# Altium PCB DevKITV3.PcbDoc (part 5 of 5)
Units mm, origin at the board's own origin, x right, y up, seen from the top; angles counter-clockwise.
Board outline 140 x 140 mm, 8 copper layers (Top Layer, Layer 2, Layer 3, Layer 4, Layer 5, Layer 6, Layer 7, Bottom Layer), stack 1.479 mm thick; 438 components, 315 nets, 1726 pads, 441 vias.
Unrouted connection lines stored in the file: 394.
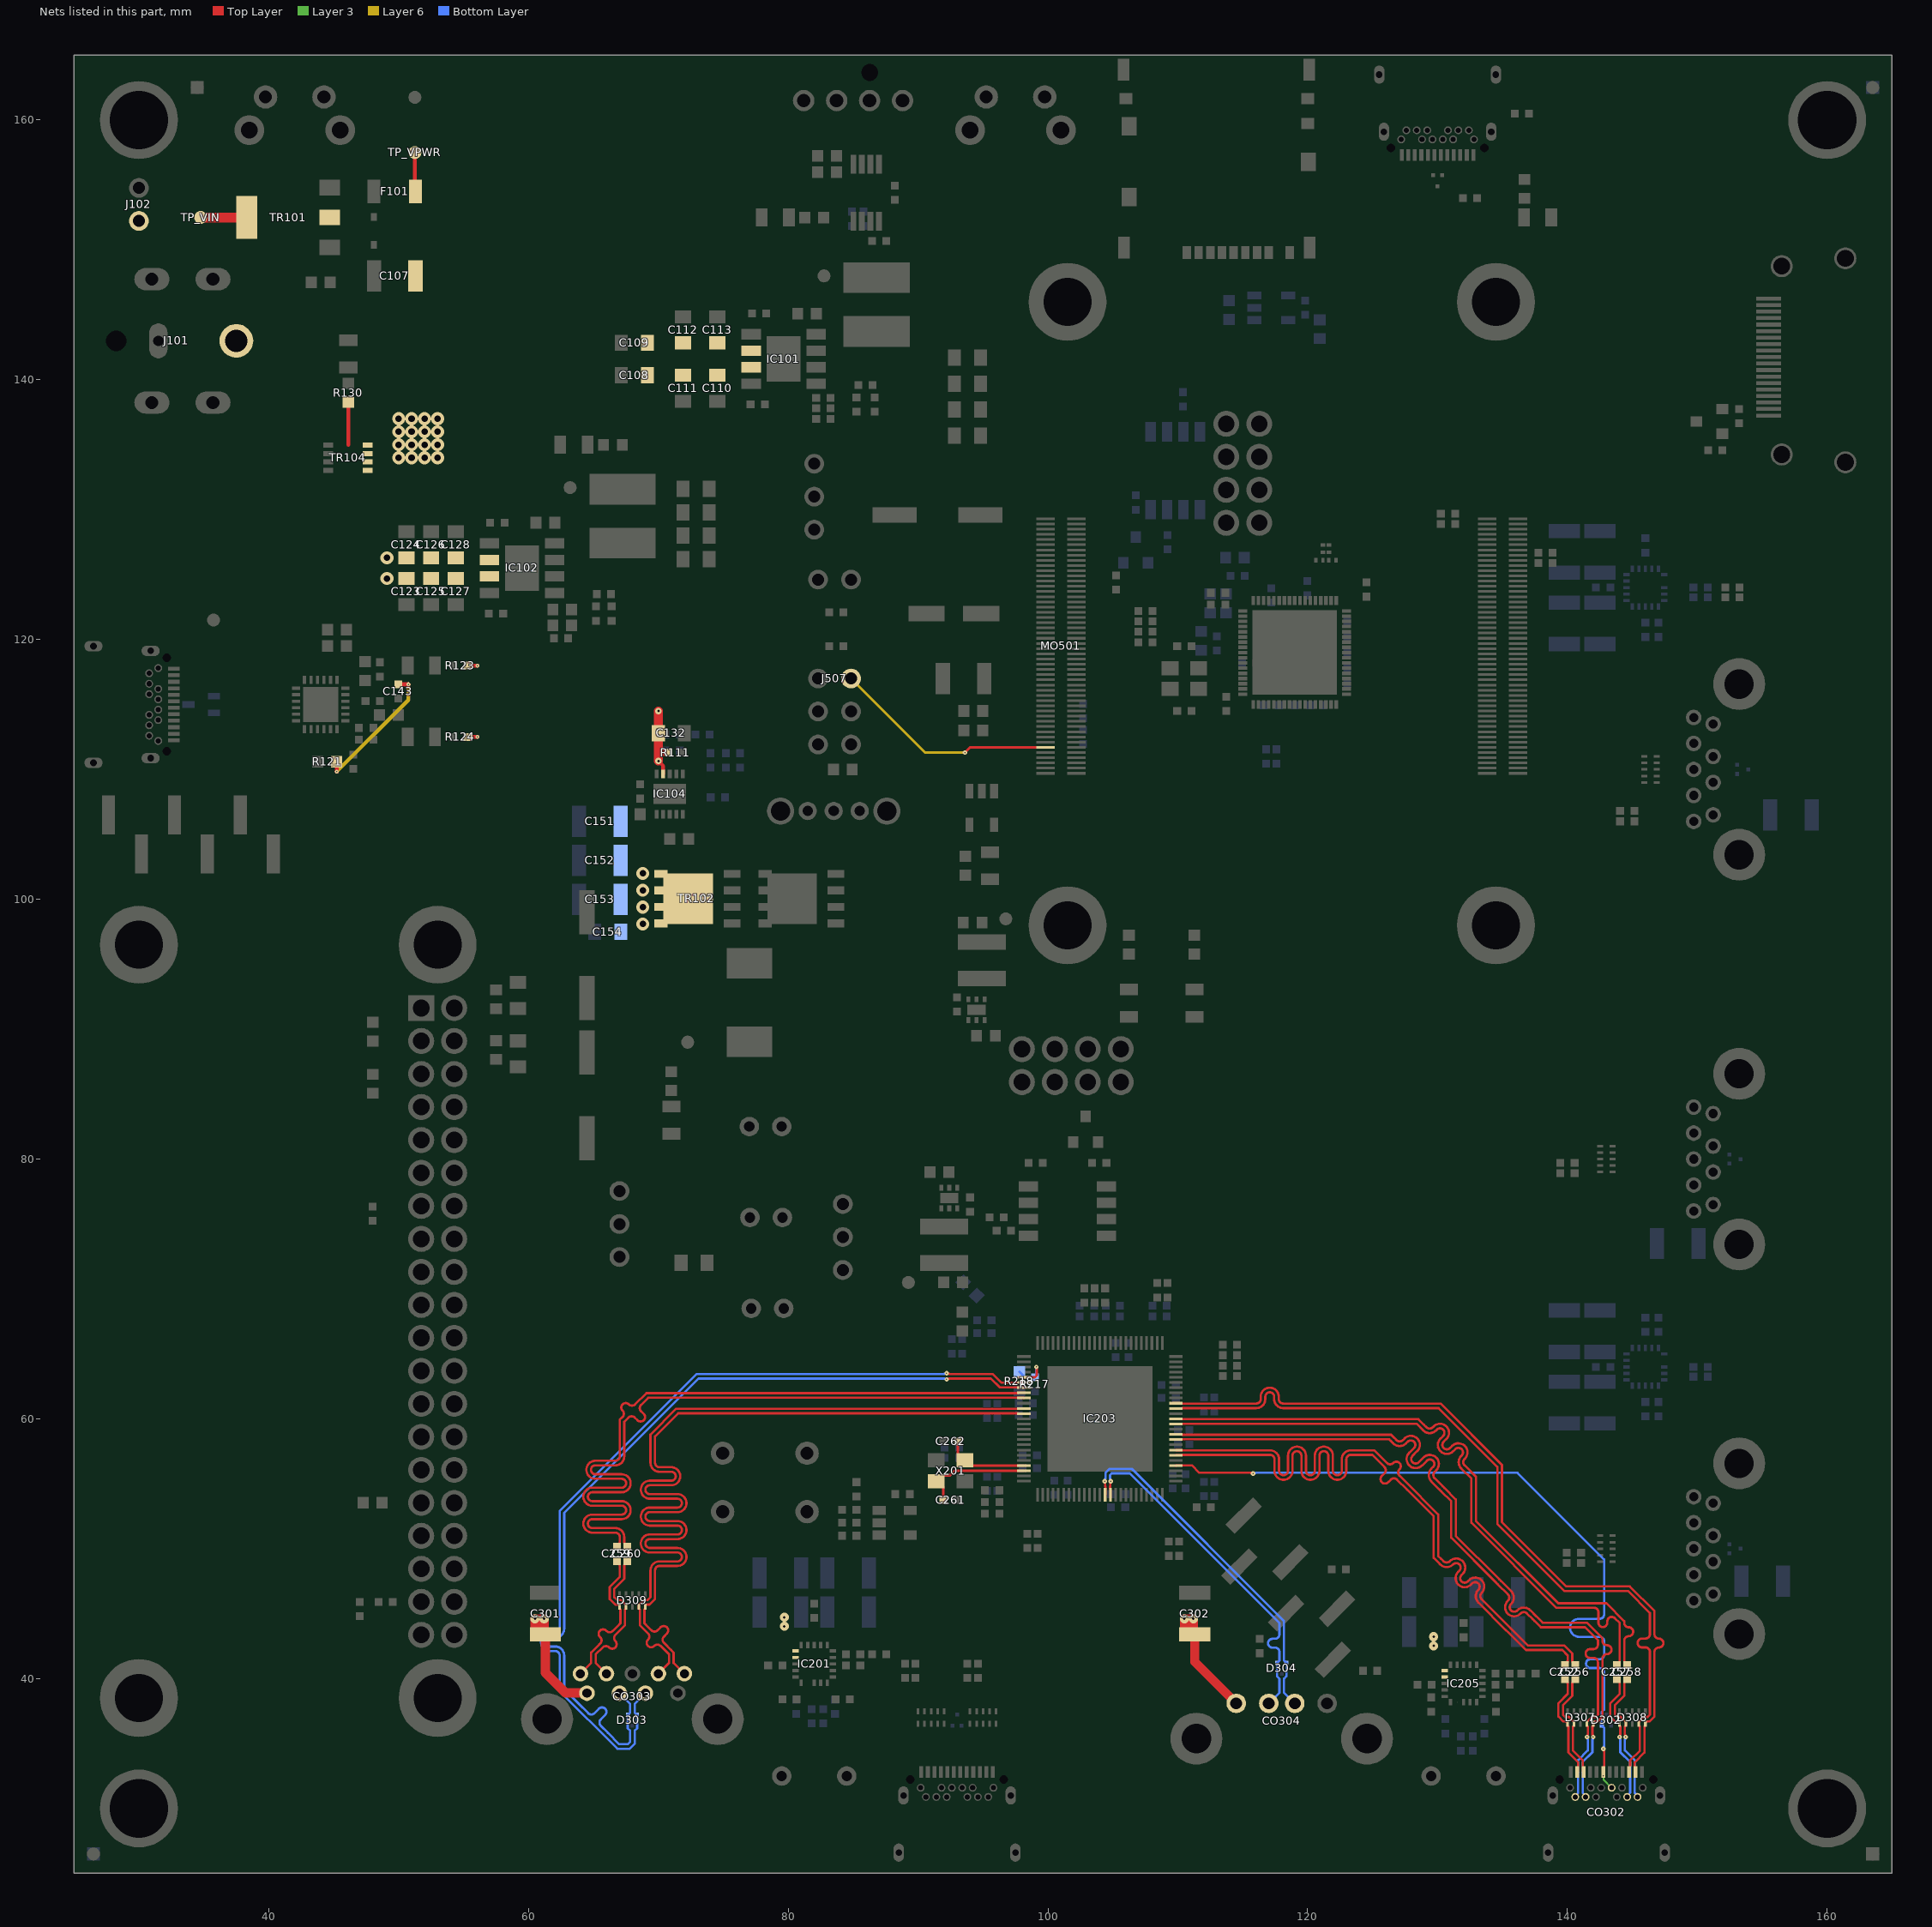
[diagram p11: the nets of this part, all layers, seen from the top]

## Via types
v1: diameter 0.3, hole 0.1, Top Layer to Bottom Layer, 136 vias
v2: diameter 0.35, hole 0.1, Top Layer to Bottom Layer, 106 vias
v3: diameter 1, hole 0.5, Top Layer to Bottom Layer, 54 vias
v4: diameter 0.5, hole 0.2, Top Layer to Bottom Layer, 53 vias
v5: diameter 0.7, hole 0.2, Top Layer to Bottom Layer, 37 vias
v6: diameter 0.6, hole 0.33, Top Layer to Bottom Layer, 36 vias
v7: diameter 0.45, hole 0.2, Top Layer to Bottom Layer, 15 vias
v8: diameter 0.4, hole 0.1, Top Layer to Bottom Layer, 2 vias
v9: diameter 1, hole 0.2, Top Layer to Bottom Layer, 1 vias
v10: diameter 1, hole 0.25, Top Layer to Bottom Layer, 1 vias

## Nets (pads, with @x,y where several pads share a name; then routed paths per layer and width w, separated by ;. In a path a pad name is that pad's centre, name@x,y a point inside that pad or via, vN(x,y) a via of type N, cw(c..) or ccw(c..) an arc to the next point about the centre after c; other vN are vias at no path point) (continued)
USBF2_P: CO302.6 CO302.26 D302.2 IC203.29 | length 60.4
  Top Layer w0.176: IC203.29@109.85,56.4 109.862,56.412 110.311,56.412 110.323,56.424 111.078,56.424 111.654,55.848 115.615,55.848 115.644,55.82 115.767,55.82 v2(115.8,55.787) ; CO302.6@142.75,32.8 142.812,32.862 142.812,33.253 142.824,33.265 142.824,34.415 142.796,34.444 142.796,34.567 v2(142.762,34.6)
  Layer 3 w0.15: v1(142.75,32.5) 142.779,32.471 142.779,32.211 CO302.26@143.4,31.59
  Bottom Layer w0.176: v2(115.8,55.787) 115.833,55.82 115.956,55.82 115.985,55.848 136.152,55.848 142.824,49.176 142.824,45.826 142.824,44.944 cw(c142.482,44.944) 142.482,44.602 140.898,44.602 ccw(c140.898,43.908) 140.898,43.215 142.482,43.215 cw(c142.482,42.873) 142.824,42.873 142.824,42.608 142.824,41.836 cw(c142.482,41.836) 142.482,41.494 141.772,41.494 ccw(c141.772,41.152) 141.43,41.152 ccw(c141.772,41.152) 141.772,40.81 142.482,40.81 cw(c142.482,40.468) 142.824,40.468 142.824,38.5 142.824,37.615 142.637,37.428 142.637,36.388 D302.2@142.65,36.375 142.712,36.313 142.721,36.313 142.824,36.21 142.824,34.785 142.796,34.756 142.796,34.633 v2(142.762,34.6)
USBF2_RX1_N: CO302.30 D307.5 IC203.35 | length 59.9
  Top Layer w0.176: IC203.35@109.85,58.8 109.862,58.788 110.311,58.788 110.323,58.776 126.422,58.776 126.653,58.545 126.788,58.41 126.839,58.359 ccw(c127.081,58.6) 127.323,58.359 127.45,58.486 ; 127.451,58.487 cw(c127.942,57.996) 128.375,58.538 128.381,58.538 128.484,58.435 128.484,58.429 cw(c127.942,57.996) 128.433,57.505 128.067,57.14 ccw(c128.31,56.899) 128.552,56.657 128.916,57.021 ; 128.916,57.022 cw(c129.407,56.531) 129.84,57.073 129.846,57.073 129.949,56.97 129.949,56.964 cw(c129.407,56.531) 129.898,56.04 129.769,55.912 ccw(c130.011,55.67) 129.769,55.428 130.392,54.806 130.527,54.671 131.4,53.798 131.4,50.998 134.749,47.649 134.884,47.514 135.668,46.73 cw(c135.177,46.239) 135.668,45.748 135.649,45.729 ccw(c135.891,45.488) 136.133,45.246 136.152,45.265 cw(c136.643,44.774) 137.133,45.265 137.58,44.817 137.716,44.682 138.098,44.3 141.498,44.3 142.7,43.098 142.7,42.996 142.7,42.908 ccw(c143.042,42.908) 143.042,42.566 143.045,42.566 cw(c143.045,42.224) 143.387,42.224 cw(c143.045,42.224) 143.045,41.882 143.042,41.882 ccw(c143.042,41.54) 142.7,41.54 142.7,41.059 142.7,37.074 142.324,36.698 142.115,36.698 142.092,36.674 142.012,36.674 142,36.662 D307.5@142,36.525 142,36.387 141.926,36.313 141.926,36.144 141.926,35.685 141.954,35.656 141.954,35.533 v2(141.988,35.5)
  Bottom Layer w0.176: CO302.30@141.4,30.89 141.4,30.981 141.176,31.205 141.176,33.576 141.926,34.326 141.926,35.315 141.954,35.344 141.954,35.467 v2(141.988,35.5)
USBF2_RX1_P: CO302.31 D307.4 IC203.34 | length 59.9
  Top Layer w0.176: IC203.34@109.85,58.4 109.862,58.412 110.311,58.412 110.323,58.424 126.276,58.424 126.404,58.296 126.539,58.161 126.59,58.11 ccw(c127.081,58.6) 127.572,58.11 127.701,58.239 cw(c127.942,57.996) 128.184,57.754 127.82,57.39 ; 127.819,56.409 cw(c128.31,56.899) 127.819,57.39 ; 127.82,56.408 ccw(c128.31,56.899) 128.801,56.408 129.166,56.773 cw(c129.407,56.531) 129.649,56.289 129.521,56.161 ccw(c130.011,55.67) 129.521,55.179 130.143,54.557 130.278,54.422 131.048,53.652 131.048,50.852 134.5,47.4 134.635,47.265 135.419,46.481 cw(c135.177,46.239) 135.419,45.997 135.401,45.979 ; 135.4,44.998 cw(c135.891,45.488) 135.401,45.978 ; 135.401,44.996 ccw(c135.891,45.488) 136.382,44.997 136.401,45.016 cw(c136.643,44.774) 136.884,45.016 137.332,44.568 137.467,44.433 137.952,43.948 141.352,43.948 142.086,43.214 142.348,42.952 142.348,42.613 cw(c142.006,42.613) 142.006,42.271 141.742,42.271 ccw(c141.742,41.929) 141.4,41.929 ccw(c141.742,41.929) 141.742,41.587 142.006,41.587 cw(c142.006,41.245) 142.348,41.245 142.348,40.629 142.348,37.22 142.178,37.049 141.887,37.049 141.5,36.662 D307.4@141.5,36.525 141.5,36.387 141.574,36.313 141.574,35.998 141.574,35.685 141.546,35.656 141.546,35.533 v2(141.513,35.5)
  Bottom Layer w0.176: CO302.31@140.6,30.89 140.6,30.981 140.824,31.205 140.824,33.722 141.574,34.472 141.574,35.315 141.546,35.344 141.546,35.467 v2(141.513,35.5)
USBF2_RX2_N: CO302.10 D308.4 IC203.40 | length 61.6
  Top Layer w0.176: IC203.40@109.85,60.8 109.862,60.812 110.311,60.812 110.323,60.824 115.776,60.824 116.04,60.824 ccw(c116.04,61.518) 116.734,61.518 116.734,61.705 cw(c117.076,61.705) 117.418,61.705 117.418,61.518 ccw(c118.112,61.518) 118.112,60.824 121.588,60.824 130.076,60.824 134.6,56.3 134.6,51.9 139.752,46.748 144.652,46.748 146.348,45.052 146.348,44.198 146.348,43.426 cw(c146.006,43.426) 146.006,43.084 145.746,43.084 ccw(c145.746,42.742) 145.404,42.742 ccw(c145.746,42.742) 145.746,42.4 146.006,42.4 cw(c146.006,42.058) 146.348,42.058 146.348,41.6 146.348,37.22 146.178,37.049 145.887,37.049 145.5,36.662 145.5,36.387 145.574,36.313 145.574,34.457 144.824,33.707 144.824,33.265 144.812,33.253 144.812,32.862 CO302.10@144.75,32.8
USBF2_RX2_P: CO302.11 D308.5 IC203.41 | length 61.6
  Top Layer w0.176: IC203.41@109.85,61.2 109.862,61.188 110.311,61.188 110.323,61.176 115.776,61.176 116.04,61.176 ccw(c116.04,61.518) 116.382,61.518 116.382,61.705 cw(c117.076,61.705) 117.77,61.705 117.77,61.518 ccw(c118.112,61.518) 118.112,61.176 121.588,61.176 130.222,61.176 134.952,56.446 134.952,52.046 139.898,47.1 144.798,47.1 146.7,45.198 146.7,43.505 146.7,43.417 ccw(c147.042,43.417) 147.042,43.075 cw(c147.042,42.733) 147.384,42.733 cw(c147.042,42.733) 147.042,42.391 ccw(c147.042,42.049) 146.7,42.049 146.7,41.597 146.7,37.074 146.324,36.698 146.115,36.698 146.092,36.674 146.012,36.674 146,36.662 D308.5@146,36.525 146,36.387 145.926,36.313 145.926,34.312 145.176,33.562 145.176,33.265 145.188,33.253 145.188,32.862 CO302.11@145.25,32.8
USBF2_TX1_N: C256.2 CO302.3 D307.2 | length 8.4
  Top Layer w0.176: C256.2@140.6,39.95 140.388,39.738 140.388,39.647 140.376,39.635 140.376,38.676 139.652,37.952 139.652,37.22 139.822,37.049 140.113,37.049 140.5,36.662 140.5,36.387 140.426,36.313 140.426,34.457 141.176,33.707 141.176,33.265 141.188,33.253 141.188,32.862 CO302.3@141.25,32.8
USBF2_TX1_P: C252.2 CO302.2 D307.1 | length 8.4
  Top Layer w0.176: C252.2@139.8,39.95 140.012,39.738 140.012,39.647 140.024,39.635 140.024,38.822 139.3,38.098 139.3,37.074 139.676,36.698 139.885,36.698 139.908,36.674 139.988,36.674 140,36.662 140,36.387 140.074,36.313 140.074,34.312 140.824,33.562 140.824,33.265 140.812,33.253 140.812,32.862 CO302.2@140.75,32.8
USBF2_TX2_N: C257.2 CO302.23 D308.1 | length 10.6
  Top Layer w0.176: C257.2@143.8,39.95 144.012,39.738 144.012,39.647 144.024,39.635 144.024,38.822 143.3,38.098 143.3,37.074 143.676,36.698 143.885,36.698 143.908,36.674 143.988,36.674 144,36.662 D308.1@144,36.387 ; D308.1@144,36.525 D308.1@144,36.387 ; v2(144.012,35.5) 144.046,35.533 144.046,35.656 144.074,35.685 144.074,36.144 D308.1@144.074,36.313 ; D308.1@144,36.387 D308.1@144.074,36.313 ; D308.1@144,36.387 D308.1@144.074,36.313
  Bottom Layer w0.176: v2(144.012,35.5) 144.046,35.467 144.046,35.344 144.074,35.315 144.074,34.326 144.824,33.576 144.824,31.205 144.6,30.981 CO302.23@144.6,30.89
USBF2_TX2_P: C258.2 CO302.22 D308.2 | length 10.7
  Top Layer w0.176: v2(144.488,35.5) 144.454,35.533 144.454,35.656 144.426,35.685 144.426,35.998 D308.2@144.426,36.313 ; D308.2@144.5,36.525 D308.2@144.5,36.387 ; C258.2@144.6,39.95 144.388,39.738 144.388,39.647 144.376,39.635 144.376,38.676 143.652,37.952 143.652,37.22 143.822,37.049 144.113,37.049 144.5,36.662 D308.2@144.5,36.387 ; D308.2@144.426,36.313 D308.2@144.5,36.387 ; D308.2@144.426,36.313 D308.2@144.5,36.387
  Bottom Layer w0.176: v2(144.488,35.5) 144.454,35.467 144.454,35.344 144.426,35.315 144.426,34.472 145.176,33.722 145.176,31.205 145.4,30.981 CO302.22@145.4,30.89
USBF2_XTX1_N: C256.1 IC203.32 | length 53.2
  Top Layer w0.176: IC203.32@109.85,57.6 109.862,57.588 110.311,57.588 110.323,57.576 112.335,57.576 115.8,57.576 117.1,57.576 cw(c117.1,56.882) 117.794,56.882 117.794,56 ccw(c118.136,56) 118.478,56 118.478,57.168 cw(c119.172,57.168) 119.866,57.168 119.866,56 ccw(c120.208,56) 120.55,56 120.55,57.168 cw(c121.244,57.168) 121.938,57.168 121.938,56 ccw(c122.28,56) 122.622,56 122.622,56.882 cw(c123.316,56.882) 123.316,57.576 124.507,57.576 125.124,57.576 126.041,56.659 126.103,56.597 ccw(c126.345,56.838) 126.587,56.597 cw(c126.829,56.355) 127.071,56.597 cw(c126.829,56.355) 127.071,56.113 ccw(c127.313,55.871) 127.071,55.629 127.429,55.271 130.052,52.648 130.052,49.446 130.274,49.224 130.409,49.089 130.46,49.037 ccw(c130.702,49.279) 130.944,49.037 cw(c131.435,48.547) 131.868,49.089 131.874,49.089 131.977,48.986 131.977,48.98 cw(c131.435,48.547) 131.925,48.056 131.839,47.97 ccw(c132.082,47.729) 132.324,47.487 132.409,47.572 cw(c132.9,47.082) 133.333,47.624 133.339,47.624 133.442,47.521 133.442,47.515 cw(c132.9,47.082) 133.391,46.591 ccw(c133.632,46.349) 133.391,46.107 135.517,43.981 135.652,43.845 136.946,42.552 139.746,42.552 140.376,41.922 140.376,41.365 140.388,41.353 140.388,41.262 C256.1@140.6,41.05
USBF2_XTX1_P: C252.1 IC203.31 | length 53.2
  Top Layer w0.176: IC203.31@109.85,57.2 109.862,57.212 110.311,57.212 110.323,57.224 112.335,57.224 115.8,57.224 117.1,57.224 cw(c117.1,56.882) 117.442,56.882 117.442,56 ccw(c118.136,56) 118.83,56 118.83,57.168 cw(c119.172,57.168) 119.514,57.168 119.514,56 ccw(c120.208,56) 120.902,56 120.902,57.168 cw(c121.244,57.168) 121.586,57.168 121.586,56 ccw(c122.28,56) 122.974,56 122.974,56.882 cw(c123.316,56.882) 123.316,57.224 124.507,57.224 124.978,57.224 125.367,56.835 125.913,56.29 cw(c125.671,56.048) 125.913,55.806 125.707,55.6 ccw(c125.948,55.358) 125.707,55.116 ccw(c125.948,55.358) 126.19,55.116 126.396,55.322 cw(c126.638,55.08) 126.88,55.322 127.663,54.539 129.7,52.502 129.7,49.3 130.025,48.975 130.16,48.84 130.211,48.789 ccw(c130.702,49.279) 131.193,48.789 cw(c131.435,48.547) 131.677,48.305 131.592,48.22 ; 131.591,47.239 cw(c132.082,47.729) 131.591,48.219 ; 131.592,47.237 ccw(c132.082,47.729) 132.573,47.238 132.658,47.323 cw(c132.9,47.082) 133.142,46.84 ccw(c133.632,46.349) 133.142,45.858 135.268,43.732 135.404,43.596 136.8,42.2 139.6,42.2 140.024,41.776 140.024,41.365 140.012,41.353 140.012,41.262 C252.1@139.8,41.05
USBF2_XTX2_N: C257.1 IC203.37 | length 50.2
  Top Layer w0.176: IC203.37@109.85,59.6 109.862,59.612 110.311,59.612 110.323,59.624 112.335,59.624 128.376,59.624 128.71,59.29 128.845,59.155 128.896,59.104 ccw(c129.387,59.594) 129.878,59.104 129.944,59.17 cw(c130.185,58.928) 130.427,58.686 130.223,58.481 ; 130.221,57.5 cw(c130.713,57.99) 130.222,58.481 ; 130.223,57.499 ccw(c130.713,57.99) 131.203,57.499 131.367,57.663 cw(c131.609,57.421) 131.851,57.18 131.826,57.155 ccw(c132.317,56.664) 131.827,56.173 132.6,55.4 132.6,54.997 132.6,52 139.152,45.448 141.27,45.448 142.042,45.448 cw(c142.042,45.106) 142.384,45.106 142.384,44.312 ccw(c142.726,44.312) 142.726,43.97 ccw(c142.726,44.312) 143.068,44.312 143.068,44.406 cw(c143.41,44.406) 143.652,44.648 144.024,44.276 144.024,41.365 144.012,41.353 144.012,41.262 C257.1@143.8,41.05
USBF2_XTX2_P: C258.1 IC203.38 | length 50.2
  Top Layer w0.176: IC203.38@109.85,60 109.862,59.988 110.311,59.988 110.323,59.976 112.335,59.976 128.522,59.976 128.958,59.539 129.094,59.404 129.145,59.353 ccw(c129.387,59.594) 129.629,59.353 129.694,59.418 ; 129.695,59.418 cw(c130.185,58.928) 130.618,59.47 130.625,59.47 130.728,59.367 130.728,59.361 cw(c130.185,58.928) 130.676,58.437 130.47,58.231 ccw(c130.713,57.99) 130.955,57.748 131.119,57.912 cw(c131.609,57.421) 132.042,57.964 132.048,57.964 132.152,57.861 132.152,57.854 cw(c131.609,57.421) 132.1,56.931 132.075,56.906 ccw(c132.317,56.664) 132.075,56.422 132.925,55.573 132.952,55.546 132.952,55.329 132.952,52.146 139.298,45.8 142.998,45.8 144.376,44.422 144.376,44.379 144.376,44.291 ccw(c144.718,44.291) 144.718,43.949 cw(c144.718,43.607) 145.06,43.607 cw(c144.718,43.607) 144.718,43.265 ccw(c144.718,42.923) 144.376,42.923 144.376,42.313 144.376,41.365 144.388,41.353 144.388,41.262 C258.1@144.6,41.05
USBF3_5V: C301.1 CO303.1 IC201.11 IC201.12 | length 10.6
  Top Layer w0.7: CO303.1@64.5,38.88 64.48,38.9 62.85,38.9 61.3,40.45 C301.1@61.3,43.4 ; C301.1@61.3,43.4 60.7,43.4 60.5,43.6 v5(60.5,44.6) v5(61.2,44.6) 61.2,43.5 C301.1@61.3,43.4
  other v5: 79.7,44.025 79.7,44.725
USBF3_N: CO303.2 D303.1 IC203.82 | length 68.5
  Top Layer w0.176: v2(92.2,63.038) 92.233,63.072 92.356,63.072 92.385,63.1 94.194,63.1 95.602,63.1 96.278,62.424 97.677,62.424 97.689,62.412 98.138,62.412 IC203.82@98.15,62.4
  Bottom Layer w0.176: CO303.2@67,38.88 67.824,38.056 67.824,37.39 67.721,37.287 67.712,37.287 D303.1@67.65,37.225 67.637,37.212 67.637,36.172 67.824,35.985 67.824,35.124 67.652,34.952 66.985,34.952 66.11,35.827 65.564,36.373 cw(c65.806,36.615) 65.564,36.857 65.903,37.195 ccw(c65.661,37.437) 65.903,37.679 ccw(c65.661,37.437) 65.419,37.679 65.081,37.34 cw(c64.839,37.582) 64.597,37.34 63.825,38.113 62.752,39.185 62.752,39.775 62.752,41.511 62.752,41.776 ccw(c62.058,41.776) 62.058,42.47 61.649,42.47 cw(c61.649,42.812) 61.649,43.154 62.058,43.154 ccw(c62.058,43.847) 62.752,43.847 62.752,44.913 62.752,52.752 73.1,63.1 89.78,63.1 92.015,63.1 92.044,63.072 92.167,63.072 v2(92.2,63.038)
USBF3_P: CO303.3 D303.2 IC203.81 | length 68.5
  Top Layer w0.176: v2(92.2,63.514) 92.233,63.48 92.356,63.48 92.385,63.452 94.048,63.452 95.748,63.452 96.424,62.776 97.677,62.776 97.689,62.788 98.138,62.788 IC203.81@98.15,62.8
  Bottom Layer w0.176: CO303.3@69,38.88 68.176,38.056 68.176,37.39 68.279,37.287 68.288,37.287 D303.2@68.35,37.225 68.363,37.212 68.363,36.172 68.176,35.985 68.176,34.978 67.798,34.6 66.84,34.6 62.4,39.04 62.4,39.423 62.4,41.511 62.4,41.776 ccw(c62.058,41.776) 62.058,42.118 61.649,42.118 cw(c61.649,42.812) 61.649,43.506 62.058,43.506 ccw(c62.058,43.847) 62.4,43.847 62.4,44.913 62.4,52.898 72.954,63.452 89.926,63.452 92.015,63.452 92.044,63.48 92.167,63.48 v2(92.2,63.514)
USBF3_RX_N: CO303.5 D309.5 IC203.87 | length 69.9
  Top Layer w0.176: CO303.5@72,40.38 71.176,41.204 71.176,42.004 70.973,42.206 70.427,42.752 cw(c70.669,42.994) 70.427,43.236 70.656,43.464 ccw(c70.414,43.706) 70.656,43.948 ccw(c70.414,43.706) 70.172,43.948 69.944,43.72 cw(c69.702,43.961) 69.46,43.72 69.021,44.158 68.926,44.254 68.926,45.313 69,45.387 D309.5@69,45.525 69,45.662 69.012,45.674 69.092,45.674 69.115,45.698 69.324,45.698 69.743,46.117 69.743,47.028 69.743,48.328 cw(c70.085,48.328) 70.085,48.67 71.471,48.67 ccw(c71.471,49.364) 71.471,50.058 69.342,50.058 cw(c69.342,50.4) 69.342,50.742 71.471,50.742 ccw(c71.471,51.436) 71.471,52.13 69.342,52.13 cw(c69.342,52.472) 69.342,52.814 71.471,52.814 ccw(c71.471,53.508) 71.471,54.202 69.342,54.202 cw(c69.342,54.544) 69.342,54.886 70.991,54.886 ccw(c70.991,55.58) 70.991,56.274 70.085,56.274 cw(c70.085,56.616) 69.743,56.616 69.743,57.774 69.743,58.643 71.524,60.424 97.677,60.424 97.689,60.412 98.138,60.412 IC203.87@98.15,60.4
USBF3_RX_P: CO303.6 D309.4 IC203.86 | length 69.9
  Top Layer w0.176: CO303.6@70,40.38 70.824,41.204 70.824,41.858 70.23,42.452 70.168,42.514 ccw(c69.926,42.272) 69.684,42.514 cw(c69.442,42.756) 69.2,42.514 cw(c69.442,42.756) 69.2,42.998 ccw(c68.959,43.239) 69.2,43.481 68.774,43.907 68.574,44.108 68.574,45.313 68.5,45.387 68.5,45.662 68.887,46.049 69.178,46.049 69.391,46.263 69.391,47.028 69.391,48.328 cw(c70.085,48.328) 70.085,49.022 71.471,49.022 ccw(c71.471,49.364) 71.471,49.706 69.342,49.706 cw(c69.342,50.4) 69.342,51.094 71.471,51.094 ccw(c71.471,51.436) 71.471,51.778 69.342,51.778 cw(c69.342,52.472) 69.342,53.166 71.471,53.166 ccw(c71.471,53.508) 71.471,53.85 69.342,53.85 cw(c69.342,54.544) 69.342,55.238 70.991,55.238 ccw(c70.991,55.58) 70.991,55.922 70.085,55.922 cw(c70.085,56.616) 69.391,56.616 69.391,57.774 69.391,58.789 71.378,60.776 97.677,60.776 97.689,60.788 98.138,60.788 IC203.86@98.15,60.8
USBF3_TX_N: C260.2 CO303.8 D309.2 | length 11.7
  Top Layer w0.176: CO303.8@66,40.38 65.176,41.204 65.176,41.858 65.722,42.404 cw(c65.964,42.162) 66.206,42.404 ccw(c66.447,42.645) 66.689,42.404 ccw(c66.447,42.645) 66.689,42.887 cw(c66.931,43.129) 66.689,43.371 67.426,44.108 67.426,45.313 67.5,45.387 D309.2@67.5,45.525 67.5,45.662 67.113,46.049 66.822,46.049 66.609,46.263 66.609,46.911 67.376,47.678 67.376,48.735 67.388,48.747 67.388,48.838 C260.2@67.6,49.05
USBF3_TX_P: C259.2 CO303.9 D309.1 | length 11.7
  Top Layer w0.176: CO303.9@64,40.38 64.824,41.204 64.824,42.004 65.459,42.638 65.521,42.7 ccw(c65.279,42.942) 65.521,43.184 65.499,43.206 cw(c65.741,43.448) 65.499,43.69 cw(c65.741,43.448) 65.982,43.69 66.005,43.668 ccw(c66.246,43.91) 66.488,43.668 67.016,44.196 67.074,44.254 67.074,45.313 67,45.387 D309.1@67,45.525 67,45.662 66.988,45.674 66.908,45.674 66.885,45.698 66.676,45.698 66.257,46.117 66.257,47.057 67.024,47.824 67.024,48.735 67.012,48.747 67.012,48.838 C259.2@66.8,49.05
USBF3_XTX_N: C260.1 IC203.84 | length 58.3
  Top Layer w0.176: C260.1@67.6,50.15 67.388,50.362 67.388,50.453 67.376,50.465 67.376,50.632 67.376,50.896 ccw(c66.682,50.896) 66.682,51.59 64.913,51.59 cw(c64.913,51.932) 64.913,52.274 67.172,52.274 ccw(c67.172,52.968) 67.172,53.662 64.913,53.662 cw(c64.913,54.004) 64.913,54.346 67.172,54.346 ccw(c67.172,55.04) 67.172,55.734 65.151,55.734 cw(c65.151,56.076) 65.151,56.418 66.682,56.418 ccw(c66.682,57.112) 67.376,57.112 67.376,59.162 67.376,59.571 67.376,59.778 67.697,60.1 cw(c67.939,59.858) 68.181,60.1 68.387,59.893 ccw(c68.629,60.135) 68.871,59.893 ccw(c68.629,60.135) 68.871,60.377 68.665,60.583 cw(c68.906,60.825) 68.665,61.067 69.222,61.624 97.677,61.624 97.689,61.612 98.138,61.612 IC203.84@98.15,61.6
USBF3_XTX_P: C259.1 IC203.83 | length 58.3
  Top Layer w0.176: C259.1@66.8,50.15 67.012,50.362 67.012,50.453 67.024,50.465 67.024,50.632 67.024,50.896 ccw(c66.682,50.896) 66.682,51.238 64.913,51.238 cw(c64.913,51.932) 64.913,52.626 67.172,52.626 ccw(c67.172,52.968) 67.172,53.31 64.913,53.31 cw(c64.913,54.004) 64.913,54.698 67.172,54.698 ccw(c67.172,55.04) 67.172,55.382 65.151,55.382 cw(c65.151,56.076) 65.151,56.77 66.682,56.77 ccw(c66.682,57.112) 67.024,57.112 67.024,59.162 67.024,59.924 67.184,60.084 67.246,60.146 ccw(c67.005,60.388) 67.246,60.63 cw(c67.488,60.872) 67.246,61.114 cw(c67.488,60.872) 67.73,61.114 ccw(c67.972,61.356) 68.214,61.114 69.076,61.976 69.143,61.976 97.677,61.976 97.689,61.988 98.138,61.988 IC203.83@98.15,62
USBF4_5V: C302.1 CO304.1 IC205.11 IC205.12 | length 10.5
  Top Layer w0.7: CO304.1@114.5,38.09 111.3,41.29 C302.1@111.3,43.4 ; C302.1@111.3,43.4 111.2,43.5 v5(111.2,44.6) v5(110.5,44.6) 110.5,43.6 110.7,43.4 C302.1@111.3,43.4
  other v5: 129.7,42.525 129.7,43.225
USBF4_N: CO304.2 D304.1 IC203.15 | length 27.3
  Top Layer w0.176: IC203.15@104.8,54.15 104.788,54.162 104.788,54.611 104.776,54.623 104.776,54.8 104.804,54.828 104.804,55.167 v2(104.838,55.2)
  Bottom Layer w0.176: v2(104.838,55.2) 104.804,55.233 104.804,55.356 104.776,55.385 104.776,55.676 104.9,55.8 106.302,55.8 117.824,44.278 117.824,44.182 117.824,43.41 cw(c117.482,43.41) 117.482,43.068 117.289,43.068 ccw(c117.289,42.726) 116.947,42.726 ccw(c117.289,42.726) 117.289,42.384 117.482,42.384 cw(c117.482,42.042) 117.824,42.042 117.824,41.6 117.824,41.39 117.721,41.287 117.712,41.287 D304.1@117.65,41.225 117.637,41.212 117.637,40.172 117.824,39.985 117.824,38.914 CO304.2@117,38.09
USBF4_P: CO304.3 D304.2 IC203.14 | length 27.3
  Top Layer w0.176: v2(104.362,55.2) 104.396,55.167 104.396,54.828 104.424,54.8 104.424,54.623 104.412,54.611 104.412,54.162 IC203.14@104.4,54.15
  Bottom Layer w0.176: v2(104.362,55.2) 104.396,55.233 104.396,55.356 104.424,55.385 104.424,55.822 104.754,56.152 106.448,56.152 118.176,44.424 118.176,41.39 118.279,41.287 118.288,41.287 D304.2@118.35,41.225 118.363,41.212 118.363,40.172 118.176,39.985 118.176,38.914 CO304.3@119,38.09
VBUS_UP: IC203.80 R217.1 R218.2 | length 4.1
  Top Layer w0.2: IC203.80@98.15,63.2 99,63.2 99.134,63.334 99.134,63.966 v2(99.106,63.994)
  Bottom Layer w0.2: R218.2@97.8,63.625 98.225,63.2 R217.1@99,63.2 99.2,63.4 99.106,63.4 v2(99.106,63.994)
VIN: J101.1 J102.1 TP_VIN.1 TR101.2 | length 3.6
  Top Layer w0.75: TP_VIN.1@34.75,152.5 TR101.2@38.3,152.5
VPWR: C107.1 C108.1 C109.1 C110.1 C111.1 C112.1 C113.1 C123.1 C124.1 C125.1 C126.1 C127.1 C128.1 C132.1 C143.2 C151.1 C152.1 C153.1 C154.1 F101.2 IC101.2 IC101.3 IC102.2 IC102.3 IC104.4 R111.1 R121.2 R123.2 R124.2 R130.1 TP_VPWR.1 TR102.5 TR102.6 TR102.7 TR102.8 TR104.5 TR104.6 TR104.7 TR104.8 | length 24.2
  Top Layer w0.3: v1(45.225,109.825) R121.2@45.225,110.6 ; 46.125,135 R130.1@46.125,138.275 ; C143.2@49.975,116.55 v1(50.75,116.55) ; TP_VPWR.1@51.25,157.5 51.25,154.55 F101.2@51.3,154.5 ; R124.2@55.3,112.5 v1(56.075,112.5) ; R123.2@55.3,118 v1(56.075,118) ; v4(70,110.65) 70.375,110.275 IC104.4@70.375,109.65
  Top Layer w0.5: 70,111.3 R111.1@70.775,111.3
  Top Layer w0.7: v4(70,110.65) 70,111.3 v4(70,114.5)
  Layer 6 w0.3: v1(45.225,109.825) 50.75,115.35 v1(50.75,116.55)
  other v3: 68.8,98.1 68.8,99.4 68.8,100.7 68.8,102 49.1,124.7 49.1,126.3 50,134 51,134 52,134 53,134 50,135 51,135 52,135 53,135 50,136 51,136 52,136 53,136 50,137 51,137 52,137 53,137
WL_DIS: J507.2 MO501.89 | length 17.5
  Top Layer w0.2: v2(93.6,111.3) 94,111.7 MO501.89@99.81,111.7
  Layer 6 w0.2: J507.2@84.835,117 90.535,111.3 v2(93.6,111.3)
XTI: C261.2 IC203.98 X201.1 | length 8.8
  Top Layer w0.2: C261.2@91.95,53.75 91.95,54.75 91.5,55.2 X201.1@91.4,55.2 91.85,55.65 92.45,55.65 92.8,56 IC203.98@98.15,56
XTO: C262.1 IC203.97 X201.3 | length 6.5
  Top Layer w0.2: C262.1@93.05,58.25 93.05,57.25 93.5,56.8 X201.3@93.6,56.8 94,56.4 IC203.97@98.15,56.4
pads on no net: CO101.2 CO101.3 CO101.6 CO101.7 CO101.8 CO101.10 CO101.11 CO101.22 CO101.23 CO101.26 CO101.27 CO101.28 CO101.30 CO101.31 CO101.HOLE CO301.8 CO301.28 CO301.HOLE CO302.8 CO302.28 CO302.HOLE CO501.CD CO502.2 CO502.3 CO502.8 CO502.10 CO502.11 CO502.22 CO502.23 CO502.28 CO502.30 CO502.31 CO502.HOLE CO503.14 D201.2 D305.6 D305.7 D305.9 D305.10 D306.6 D306.7 D306.9 D306.10 D307.6 D307.7 D307.9 D307.10 D308.6 D308.7 D308.9 D308.10 D309.6 D309.7 D309.9 D309.10 D601.2 D701.6 D701.7 D701.9 D701.10 D703.6 D703.7 D703.9 D703.10 D705.6 D705.7 D705.9 D705.10 Fid1.1 Fid2.1 Fid3.1 Fid4.1 Fid5.1 Fid6.1 Fid7.1 Fid8.1 IC106.15 IC106.17 IC203.49 IC203.50 IC203.61 IC203.74 IC203.96 IC501.3 IC502.7 IC502.8 IC504.1 IC602.26 IC602.44 IC602.51 IC604.11 IC604.12 IC604.16 J101.0 J502.5 MO401.7 MO401.12 MO401.15 MO401.18 MO401.19 MO401.21 MO401.22 MO401.23 MO401.24 MO401.26 MO401.27 MO401.28 MO401.32 MO401.33 MO401.35 MO401.36 MO401.38 MO401.40 MO501.3 MO501.4 MO501.5 MO501.6 MO501.9 MO501.10 MO501.11 MO501.12 MO501.15 MO501.16 MO501.17 MO501.18 MO501.19 MO501.25 MO501.26 MO501.27 MO501.28 MO501.29 MO501.30 MO501.31 MO501.34 MO501.35 MO501.36 MO501.37 MO501.38 MO501.39 MO501.40 MO501.41 MO501.44 MO501.45 MO501.46 MO501.47 MO501.48 MO501.49 MO501.50 MO501.54 MO501.56 MO501.58 MO501.64 MO501.68 MO501.70 MO501.72 MO501.73 MO501.76 MO501.94 MO501.96 MO501.97 MO502.104 MO502.106 MO502.111 MO502.115 MO502.117 MO502.121 MO502.123 MO502.127 MO502.128 MO502.129 MO502.130 MO502.133 MO502.134 MO502.135 MO502.136 MO502.139 MO502.140 MO502.141 MO502.142 MO502.143 MO502.145 MO502.146 MO502.147 MO502.148 MO502.149 MO502.152 MO502.154 MO502.157 MO502.158 MO502.159 MO502.160 MO502.163 MO502.164 MO502.165 MO502.166 MO502.169 MO502.171 MO502.175 MO502.177 MO502.181 MO502.183 MO502.187 MO502.189 MO502.193 MO502.194 MO502.195 MO502.196 SW504.1

## Polygon pours and split planes (outlines as drawn)
GND on Layer 6 "GND_L06_P125" (solid, remove dead copper, pour order 125): 25,25 165,25 165,165 25,165
+5VU on Layer 6 "+5VU_L06_P124" (solid, pour order 124): 122.5,85.5 126.5,89.5 126.5,126.7 127.4,127.6 132.5,127.6 133.3,126.8 133.3,102 131.2,99.9 131.2,81.8 130.4,81 115.472,81 115,80.5 115,76 115.5,75.5 137,75.5 137.5,75 137.5,72 137,71.5 110.5,71.5 109.5,72.5 109.5,80.5 109,81 99.5,81 98.5,80 74,80 73.5,80.5 73.5,85 74,85.5
USBF4_5V on Layer 6 "USBF4_5V_L06_P120" (solid, pour order 120): 110,41.5 109.5,42 109.5,45 110,45.5 113.5,45.5 114.5,44.5 130,44.5 130.5,44 130.5,42 130,41.5
+5VU on Layer 6 "+5VU_L06_P119" (solid, pour order 119): 99,48 100,49 101,49 102,48 127,48 127.5,48.5 127.5,51.5 127,52 81,52 80.5,52.5 80.5,70.5 79.5,71.5 73.5,71.5 73,71 73,49.5 74.5,48
USBF3_5V on Layer 6 "USBF3_5V_L06_P105" (solid, pour order 105): 59.5,45.5 60,46 80,46 80.5,45.5 80.5,43.5 80,43 60,43 59.5,43.5
+1V1 on Layer 6 "+1V1_L06_P066" (solid, pour order 66): 91.3,69.4 92.8,67.9 94.9,67.9 97.3,65.5 97.3,52.9 97.9,52.3 102.8,52.3 103.5,53 109,53 110.5,54.5 110.5,65.6 109.8,66.3 99.1,66.3 96.1,69.3 93.3,69.3 92.7,69.9 91.4,69.9 91.3,69.8
GND on Layer 6 "GND_L06_P065" (solid, pour order 65): 98.7,61.7 98.8,61.6 99.5,61.6 99.8,61.3 99.8,61 99.3,60.5 98.9,60.5 98.6,60.2 98.6,58.8 98.9,58.5 99.3,58.5 99.8,58 99.8,57.2 100.8,56.2 103.1,56.2 103.3,56 103.3,54.9 103.7,54.5 105.1,54.5 105.5,54.9 105.5,55.9 105.8,56.2 107.9,56.2 108.1,56.4 108.1,58 108.8,58.7 108.8,59.6 108.1,60.3 108.1,60.5 108.8,61.2 108.8,62.5 106.3,65 105.8,65 104.8,64 104.2,64 103.2,65 99.2,65 98.7,64.5 98.7,63.8
CPWR on Layer 6 "CPWR_L06_P074" (solid, pour order 74): 31.25,116.75 31.5,117 36.25,117 36.5,117.25 36.5,119.25 36.5,119.5 36.5,124.25 36.5,132.5 41,137 45,137 45.25,136.75 45.25,133.5 44.975,133.225 44.2,133.225 43.95,132.975 43.95,126.05 43.95,122.25 43.95,119.35 43.125,118.525 43.125,116.6 43.025,116.5 40.75,116.5 40.25,116 40.25,113.5 39.75,113 31.5,113 31.25,113.25
VPWR on Layer 6 "Bottom Layer-VPWR" (solid, pour order 100): 50.2,108.2 48,110.4 48,137 49.5,138.5 54.5,138.5 69.7,123.3 69.7,115.3 70.4,114.6 70.4,110.2 69.7,109.5 69.7,103.9 70.2,103.4 70.2,96.8 69.7,96.3 66.5,96.3 65.8,97 65.8,107.5 65.1,108.2
+1V05 on Layer 6 "+1V05_L06_P075" (solid, pour order 75): 94.4,98.9 94.7,98.6 95.3,98.6 104.7,108 112.4,108 116.3,111.9 116.3,114.8 115.5,115.6 114.5,115.6 114.2,115.3 114.2,114.9 115.3,113.8 115.3,112.9 111.5,109.1 103.5,109.1 94.4,100
GND on Top Layer "GND_L01_P126" (solid, remove dead copper, pour order 126): 25,25 165,25 165,165 25,165
CPWR on Top Layer "CPWR_L01_P123" (solid, pour order 123): 43.125,118.525 43.95,119.35 43.95,122.25 43.95,126.05 43.95,132.975 44.2,133.225 44.95,133.225 45.25,133.525 45.25,136.75 45,137 41,137 36.5,132.5 36.5,124.25 36.5,117 36.25,116.75 31.5,116.75 31.25,116.5 31.25,113.5 31.5,113.25 33.25,113.25 38.225,113.25 40,113.25 40.25,113.5 40.25,116 40.75,116.5 43.025,116.5 43.125,116.6 43.125,117.625
+5VR on Top Layer "Top Layer-+5VR" (solid, pour order 110): 78.8,34.9 78.8,39.7 79,39.9 79,41.2 78.875,41.325 78.025,41.325 77.9,41.2 77.9,39.9 77.9,34.7 77.9,28.7 77.7,28.5 60.3,28.5 59.4,29.4 59.4,58.4 63.1,62.1 63.1,83.2 67.25,87.35 67.25,91.15 67.5,91.4 84.1,91.4 86.8,88.7 91.5,88.7 91.6,88.6 91.6,78.4 92,78 92,77.6 92.1,77.5 93.1,77.5 93.2,77.4 93.2,76.7 93.3,76.6 94.6,76.6 94.7,76.7 94.7,77.7 94.2,78.2 93.5,78.2 93.1,78.6 93.1,88.6 93.2,88.7 95,88.7 95.225,88.925 95.225,90.175 94.9,90.5 94.9,90.9 94.8,91 93.8,91 93.7,91.1 93.7,91.8 93.6,91.9 92.4,91.9 92.3,91.8 92.3,90 92.2,89.9 87.4,89.9 84.3,93 67.5,93 67.25,93.25 67.25,115.25 67.5,115.5 80.75,115.5 81.25,116 81.25,125 81.75,125.5 92.25,125.5 92.75,125 92.75,116 93.5,115.25 96,115.25 96.75,116 96.75,138 97.25,138.5 97.25,148.75 96.25,149.75 83.91,149.75 83.5,149.34 83.5,146.5 84.25,145.75 91.75,145.75 93.5,144 93.5,135.275 93.125,134.9 91,134.9 89.4,136.5 83.9,136.5 83.8,136.6 83.8,138.1 83.6,138.3 82.95,138.3 82.7,138.05 82.7,136.6 82.6,136.5 78.9,136.5 78,135.6 78,127.5 71,120.5 64.5,120.5 60.3,116.3 60.3,92.9 59.9,92.5 56.9,92.5 56,93.4 53.2,93.4 53,93.2 53,88.1 53.3,87.8 55.7,87.8 56.1,88.2 60.3,88.2 61.6,86.9 61.6,83.1 61.6,63.1 58,59.5 58,28.4 59,27.4 128.3,27.4 128.5,27.6 128.5,33.4 128.8,33.7 128.8,38.7 129,38.9 129,39.7 128.9,39.8 128,39.8 127.8,39.6 127.8,33.7 127.8,28.7 127.6,28.5 78.7,28.5 78.5,28.7 78.5,34.6
VPWR on Top Layer "Top Layer-VPWR" (solid, pour order 73): 49.8,127.6 49.7,127.7 49.7,129.6 51.3,131.2 53.1,131.2 54.25,132.35 54.25,135.85 54.9,136.5 68.4,136.5 69.6,137.7 69.6,138.9 70.2,139.5 75.8,139.5 76.4,140.1 77.9,140.1 78.35,140.55 78.35,142.65 77.9,143.1 76.4,143.1 75.9,143.6 70.2,143.6 70,143.8 70,147.1 68.1,149 55.3,149 54.25,150.05 54.25,154.75 52.5,156.5 50.5,156.5 50,156 50,138.75 48.25,137 45.5,137 45.4,136.9 45.4,126.275 48.275,123.4 55.7,123.4 56.3,124 57.8,124 58.2,124.4 58.2,126.6 57.8,127 56.3,127 55.7,127.6
USBF4_5V on Top Layer "USBF4_5V_L01_P118" (solid, pour order 118): 130.9,41.325 130.8,41.425 130.8,43.325 130.3,43.825 129.8,43.825 129.3,43.325 129.3,41.725 128.9,41.325 128.9,40.025 129,39.925 130.8,39.925 130.9,40.025 130.9,40.125
USBF3_5V on Top Layer "USBF3_5V_L01_P098" (solid, pour order 98): 80.9,42.825 80.8,42.925 80.8,44.825 80.3,45.325 79.8,45.325 79.3,44.825 79.3,43.225 78.9,42.825 78.9,41.525 79,41.425 80.8,41.425 80.9,41.525 80.9,41.625
USBF2_5V on Top Layer "USBF2_5V_L01_P121" (solid, pour order 121): 133.1,41.325 133.2,41.425 133.2,43.325 133.7,43.825 134.2,43.825 134.7,43.325 134.7,41.725 135.1,41.325 135.1,40.025 135,39.925 133.2,39.925 133.1,40.025 133.1,40.125
USBF1_5V on Top Layer "USBF1_5V_L01_P114" (solid, pour order 114): 83.1,42.825 83.2,42.925 83.2,44.825 83.7,45.325 84.2,45.325 84.7,44.825 84.7,43.225 85.1,42.825 85.1,41.525 85,41.425 83.2,41.425 83.1,41.525 83.1,41.625
VPWR on Top Layer "VPWR_L01_P087" (solid, pour order 87): 74.575,102.425 74.575,97.825 74.25,97.5 68.25,97.5 68,97.75 68,102.5 68.25,102.75 74.25,102.75
PHASE on Top Layer "PHASE_L01_P070" (solid, pour order 70): 74.85,93.55 75.2,93.2 79.1,93.2 79.3,93.4 79.3,96.4 79.5,96.6 82.6,96.6 82.8,96.8 82.8,103.3 82.6,103.5 76.7,103.5 76.3,103.1 76.3,101.6 76.2,101.5 75.2,101.5 74.85,101.15
+5VU on Top Layer "+5VU_L01_P067" (solid, pour order 67): 73.25,66.25 73.75,65.75 78.25,65.75 78.75,66.25 78.75,78.75 80.75,80.75 80.75,90.55 80.25,91.05 73.75,91.05 73.25,90.55
PWR on Top Layer "PWR_L01_P064" (solid, pour order 64): 43,154 43,156 43.5,156.5 49,156.5 49.5,156 49.5,152 49,151.5 47.5,151.5 47,152 47,153 46.4,153.6 43.4,153.6
VIN on Top Layer "VIN_L01_P063" (solid, pour order 63): 36.5,148.8 28.7,148.8 28.25,149.25 28.25,153.45 28.7,153.9 31.65,153.9 33.25,155.5 41,155.5 43.1,153.4 46.1,153.4 46.5,153 46.5,151.5 46,151 43.7,151 42,149.3 42,141.5 41.5,141 35.5,141 35,141.5 35,145 37,147 37,148.3
GND on Bottom Layer "GND_L08_P129" (solid, remove dead copper, pour order 129): 25,25 165,25 165,165 25,165
CPWR on Bottom Layer "CPWR_L08_P102" (solid, pour order 102): 32.4,113.25 32.6,113.45 32.6,115.9 32.7,116 40.3,116 40.8,116.5 43.025,116.5 43.125,116.6 43.125,118.525 43.95,119.35 43.95,122.25 43.95,126.05 43.95,132.975 44.2,133.225 44.95,133.225 45.25,133.525 45.25,136.75 45,137 41,137 36.5,132.5 36.5,124.25 36.5,117 36.25,116.75 31.5,116.75 31.25,116.5 31.25,113.5 31.5,113.25
VPWR on Bottom Layer "Bottom Layer-VPWR" (solid, pour order 89): 50.2,108.2 48,110.4 48,137 49.5,138.5 54.5,138.5 69.7,123.3 69.7,115.3 70.4,114.6 70.4,110.2 69.7,109.5 69.7,103.9 70.2,103.4 70.2,96.8 69.7,96.3 66.5,96.3 65.8,97 65.8,107.5 65.1,108.2
+3V3 on Bottom Layer "Bottom Layer-+3V3" (solid, pour order 76): 109.1,126.1 108.8,126.4 106.5,126.4 106.2,126.1 106.2,121.7 108.9,119 110.7,119 112.7,117 112.7,115.1 114.6,113.2 116.5,113.2 117,113.7 118.3,113.7 118.8,113.2 121.3,113.2 121.9,113.8 121.9,114.5 122.3,114.9 124,114.9 124.8,115.7 124.8,124.1 123.2,125.7 114.9,125.7 114.6,125.4 114.6,124.7 114.4,124.5 111.2,124.5 110.7,124 110.7,122 110.3,121.6 109.5,121.6 109.1,122
+1V05 on Bottom Layer "+1V05_L08_P071" (solid, pour order 71): 115,114.6 122.2,114.6 123.5,115.9 123.5,120.4 122.7,121.2 122.7,122.9 121.4,124.2 116.8,124.2 115.2,122.6 112,122.6 111.8,122.4 111.8,121.5 112.1,121.2 114.1,121.2 114.5,120.8 114.5,115.1 114.7,114.9 114.5,115.1 114.7,114.9
GND on Bottom Layer "GND_L08_P058" (solid, pour order 58): 115.3,116 115.6,115.7 121.9,115.7 122.3,116.1 122.3,122.5 121.4,123.4 117,123.4 115.3,121.7 115.3,121.3
+5VU on Bottom Layer "+5VU_L08_P128" (solid, pour order 128): 130.5,126.7 130,126.2 130,121.7 130.5,121.2 133.5,121.2 140.6,121.2 141.3,121.9 141.3,126 140.6,126.7
+5VU on Bottom Layer "+5VU_L08_P106" (solid, pour order 106): 133.5,75.5 133,75 133,61.7 133.5,61.2 140.6,61.2 141.3,61.9 141.3,66 140.6,66.7 137.5,66.7 137,67.2 137,75 136.5,75.5
+5VU on Bottom Layer "+5VU_L08_P082" (solid, pour order 82): 74.75,66.5 75,66.25 78.25,66.25 78.5,66.5 78.5,80.25 78.5,84.25 78,84.75 77,84.75 76.5,85.25 76.5,108.5 75.75,109.25 75.75,110.75 75.5,111 74.75,111 74.5,110.75 74.5,107.5 74.75,107.25
+1V1 on Bottom Layer "+1V1_L08_P083" (solid, pour order 83): 94.225,65.575 94.375,65.425 94.625,65.425 94.75,65.55 95.1,65.9 95.1,68.225 94.775,68.55 94.375,68.55 94.225,68.4
+1V1 on Bottom Layer "+1V1_L08_P081" (solid, pour order 81): 98.6,55.6 97.75,54.75 97.75,52.25 98.5,51.5 105.75,51.5 106.75,52.5 106.75,54.8 106.1,55.45 105.9,55.45 105.4,54.95 105.4,52.65 105,52.25 99.25,52.25 98.75,52.75 98.75,53.9 99.55,54.7 102.45,54.7 102.75,55 102.75,55.5 102.5,55.75 100,55.75 99.75,56 99.75,58 99.5,58.25 99,58.25 98.6,57.85
GND on Layer 5 "GND_L05_P117" (solid, remove dead copper, pour order 117): 25,25 165,25 165,165 25,165
+3V3 on Layer 5 "Layer 5-+3V3" (solid, pour order 60): 70.9,121.5 71.2,121.2 73.5,121.2 77.7,125.4 89.1,125.4 89.9,124.6 89.9,92 93.3,88.6 93.3,71.9 94,71.2 95.1,71.2 95.9,72 95.9,78.6 96.7,79.4 102.7,79.4 102.9,79.6 102.9,81.1 102.7,81.3 96.7,81.3 95.9,82.1 95.9,90.3 92.6,93.6 92.6,124.5 93.5,125.4 104.8,125.4 106.2,124 106.2,117.7 110.9,113 115.4,113 116.1,113.7 116.1,114.1 115.8,114.4 112,114.4 108.2,118.2 108.2,123.6 111.1,126.5 111.1,127.3 110.7,127.7 74.1,127.7 70.9,124.5
VPWR on Layer 5 "Bottom Layer-VPWR" (solid, pour order 104): 50.2,108.2 48,110.4 48,137 49.5,138.5 54.5,138.5 69.7,123.3 69.7,115.3 70.4,114.6 70.4,110.2 69.7,109.5 69.7,103.9 70.2,103.4 70.2,96.8 69.7,96.3 66.5,96.3 65.8,97 65.8,107.5 65.1,108.2
+5VR on Layer 5 "+5VR_L05_P094" (solid, pour order 94): 95.3,142.3 95.3,141.1 95.5,140.9 144,140.9 149.7,135.2 151.4,135.2 151.6,135.4 151.6,136.4 151.4,136.6 150,136.6 144.1,142.5 95.5,142.5
GND on Layer 3 "GND_L03_P111" (solid, remove dead copper, pour order 111): 25,25 165,25 165,165 25,165
CPWR on Layer 3 "CPWR_L03_P090" (solid, pour order 90): 31.25,116.75 31.5,117 36.25,117 36.5,117.25 36.5,119.25 36.5,119.5 36.5,124.25 36.5,132.5 41,137 45,137 45.25,136.75 45.25,133.5 44.975,133.225 44.2,133.225 43.95,132.975 43.95,126.05 43.95,122.25 43.95,119.35 43.125,118.525 43.125,116.6 43.025,116.5 40.75,116.5 40.25,116 40.25,113.5 39.75,113 31.5,113 31.25,113.25
VPWR on Layer 3 "Bottom Layer-VPWR" (solid, pour order 86): 48,119.2 48.4,118.8 51.3,118.8 52.2,117.9 52.2,108.8 52.8,108.2 65.1,108.2 65.8,107.5 65.8,97 66.5,96.3 69.7,96.3 70.2,96.8 70.2,103.4 69.7,103.9 69.7,109.5 70.4,110.2 70.4,114.6 69.7,115.3 69.7,123.3 54.5,138.5 49.5,138.5 48,137
GND on Layer 7 "GND_L07_P059" (solid, remove dead copper, pour order 59): 25,25 165,25 165,165 25,165
GND on Layer 4 "GND_L04_P061" (solid, remove dead copper, pour order 61): 25,25 165,25 165,165 25,165
GND on Layer 2 "GND_L02_P062" (solid, remove dead copper, pour order 62): 25,25 165,25 165,165 25,165

## Other copper
Top Layer:
  pour cut-out: 65.85,102.55 65.6,102.8 63.35,102.8 63.1,102.55 63.1,97.05 63.35,96.8 65.6,96.8 65.85,97.05
  pour cut-out: 81.1,127.5 81,127.6 81,134.5 81.1,134.6 82.9,134.6 83,134.5 83,127.6 82.9,127.5
  pour cut-out: 91.75,128.25 92,128.5 92,130.75 91.75,131 86.25,131 86,130.75 86,128.5 86.25,128.25

## Silkscreen, mask and mechanical layers (free items; w line width, h text height)
Top Overlay:
  lines w0.05: 115.816,53.276 117.743,55.203 ; 117.55,51.542 119.477,53.469 ; 119.34,49.752 121.267,51.679 ; 121.24,47.852 121.24,49.435 ; 122.932,46.16 124.859,48.087 ; 123.167,49.779 122.824,49.435 121.241,49.435 ; 124.683,44.409 126.61,46.336 ; 121.24,49.435 121.241,49.435
  text "Fan / Connector" at 79.7,156.784 h1 r90
  text "USB 2.0 / CM4" at 124.6,156.559 h1 r90
  text "Power / On/Off Zero" at 37.1,154.834 h1 r90
  text "Power / On/Off CM4" at 92.6,154.834 h1 r90
  text "GND" at 31.5,154.68 h1
  text "VIN" at 31.501,152.18 h1
  text "SD CARD CM4" at 104.725,151.484 h1 r90
  text "RASPBERRY Pi Compute Module 4" at 121.6,150.5 h1
  text "HDMI CM4" at 155.634,150.5 h1
  text "+5V FOR RPi CM4 / AND RPi Zero" at 75.525,146.685 h1
  text "Ground" at 77.756,132.338 h1
  text "+3V3 FOR IO AND POWER" at 55.803,131.074 h1
  text "UART_TX" at 76.629,130.182 h1
  text "JACK PLUG POWER / 5,5x2,5 / CENTER POSITIVE" at 34.616,128.6 h1 r90
  text "UART_RX" at 76.529,128.182 h1
  text "UART CM4" at 79.772,126.349 h1
  text "NEEPROM_WP" at 74.649,123.791 h1
  text "VL805 HUB" at 113.725,123.601 h1
  text "VREF_3,3V" at 76.291,121.26 h1
  text "USB-C POWER / UP TO 60W" at 29.726,120.2 h1 r90
  text "CPWR OK 2" at 47.755,119.2 h1
  text "VREF_1,8V" at 76.291,118.72 h1
  text "USB-A 3.0 / VL805 / PORT 4" at 156,118.5 h1
  text "WIFI_DISABLE" at 74.899,115.9 h1
  text "BT_DISABLE" at 75.697,113.631 h1
  text "NRPI_BOOT" at 75.921,111.091 h1
  text "GND" at 26.705,108.68 h1
  text "ALERT" at 31.298,108.68 h1
  text "SCL" at 36.967,108.67 h1
  text "CPWR OK 3" at 47.75,108.297 h1
  text "ENABLE" at 74.695,106.16 h1
  text "RESET" at 90.161,105.354 h1 r90
  text "+5V FOR USB PORTS" at 66.426,104.625 h1 r90
  text "ALERT_PWR" at 32.544,100.769 h1
  text "RESET" at 28.744,100.68 h1
  text "SDA" at 39.451,100.68 h1
  text "RASPBERRY Pi Zero Wireless" at 43.993,100.41 h1
  text "NPI_POWER" at 85.731,99.456 h1
  text "+1,05V FOR PCIE/USB HUB" at 93.261,91.193 h1 r90
  text "RUN_POWER_GOOD" at 103.754,88.871 h1
  text "USB-A 3.0 / VL805 / PORT 3" at 156,88.5 h1
  text "PI_ACT" at 108.929,85.6 h1 r90
  text "SPI FLASH USB7252C HUB" at 104.133,78.181 h1
  text "Pi0" at 83.02,77.747 h1
  text "Ground" at 59.888,76.338 h1
  text "UART_TX" at 57.633,74.182 h1
  text "+1,10V FOR USB HUB" at 91.91,73.825 h1 r90
  text "UART_RX" at 57.433,72.182 h1
  text "UART Zero" at 64.792,70.36 h1
  text "+3V3" at 82.178,68.947 h1
  text "ACTIVE-USB" at 86.862,68.683 h1 r90
  text "USB7252C HUB" at 93.183,66.651 h1
  text "DevKIT / V.Rev" at 122.757,63.416 h1
  text "USB-A 3.0 / VL805 / PORT 2" at 156,58.5 h1
  text "RESET USB7252C HUB" at 73.833,57.671 h1
  text "200KΩ Pull Down" at 118.026,55.073 h1 r45
  text "CFG_STRAP1" at 119.767,53.333 h1 r45
  text "200KΩ Pull Up" at 121.567,51.532 h1 r45
  text "10KΩ Pull Down" at 123.427,49.673 h1 r45
  text "CFG_STRAP1" at 125.167,47.933 h1 r45
  text "10KΩ Pull Up" at 126.867,46.233 h1 r45
  text "USB-A 3.0 / USB7252C / PORT 3" at 59.6,25.333 h1 r90
  text "USB-C / USB7252C / PORT 1" at 100.7,24.733 h1 r90
  text "USB-C / USB7252C / PORT 2" at 150.7,24.733 h1 r90
  text "USB-A 2.0 / USB7252C / PORT 4" at 109.6,24.583 h1 r90
Bottom Overlay:
  text "SPI FLASH VL805 HUB" at 99.99,129.825 h1 r270
Board Shape:
  the board outline again, w0.1

## Text inside footprints (layer, text, board x,y; h text height)
C136: Top Overlay "+" at 74.417,83.8 h1; Top Overlay "-" at 82.083,83.7 h1
C155: Top Overlay "+" at 74.467,76.8 h1; Top Overlay "-" at 82.133,76.7 h1
C156: Top Overlay "+" at 74.567,69.8 h1; Top Overlay "-" at 82.233,69.7 h1
C303: Top Overlay "-" at 78.967,31.3 h1 r180; Top Overlay "+" at 84.933,31.2 h1 r180; Top Overlay "+" at 86.333,29 h1 r180
C304: Top Overlay "-" at 128.967,31.3 h1 r180; Top Overlay "+" at 134.933,31.2 h1 r180; Top Overlay "+" at 136.333,29 h1 r180
J202: Top Overlay "+3V3" at 105.926,82.578 h1 r90; Top Overlay "HLD" at 104.32,82.932 h1 r90; Top Overlay "CLK" at 100.85,82.907 h1 r90; Top Overlay "MOSI" at 98.31,82.461 h1 r90; Top Overlay "MISO" at 103.39,89.8 h1 r90; Top Overlay "WP" at 100.85,89.8 h1 r90; Top Overlay "GND" at 98.31,89.8 h1 r90; Top Overlay "CE" at 105.32,89.8 h1 r90
J601: Bottom Overlay "+3V3" at 119.822,136.395 h1; Bottom Overlay "HLD" at 119.468,133.85 h1; Bottom Overlay "CLK" at 119.493,131.31 h1; Bottom Overlay "MOSI" at 119.938,128.77 h1; Bottom Overlay "CE" at 123,136.39 h1; Bottom Overlay "MISO" at 123,133.85 h1; Bottom Overlay "WP" at 123,131.31 h1; Bottom Overlay "GND" at 123,128.77 h1
"Logo FxLand1": Top Overlay "Fx.Land" at 113.755,73.001 h5
MO507: Top Overlay "101-200" at 132.382,117 h1 r90; Top Overlay "001-100" at 105,117 h1 r90